# KiCad board hvd-68-hd-panel.kicad_pcb (continued)
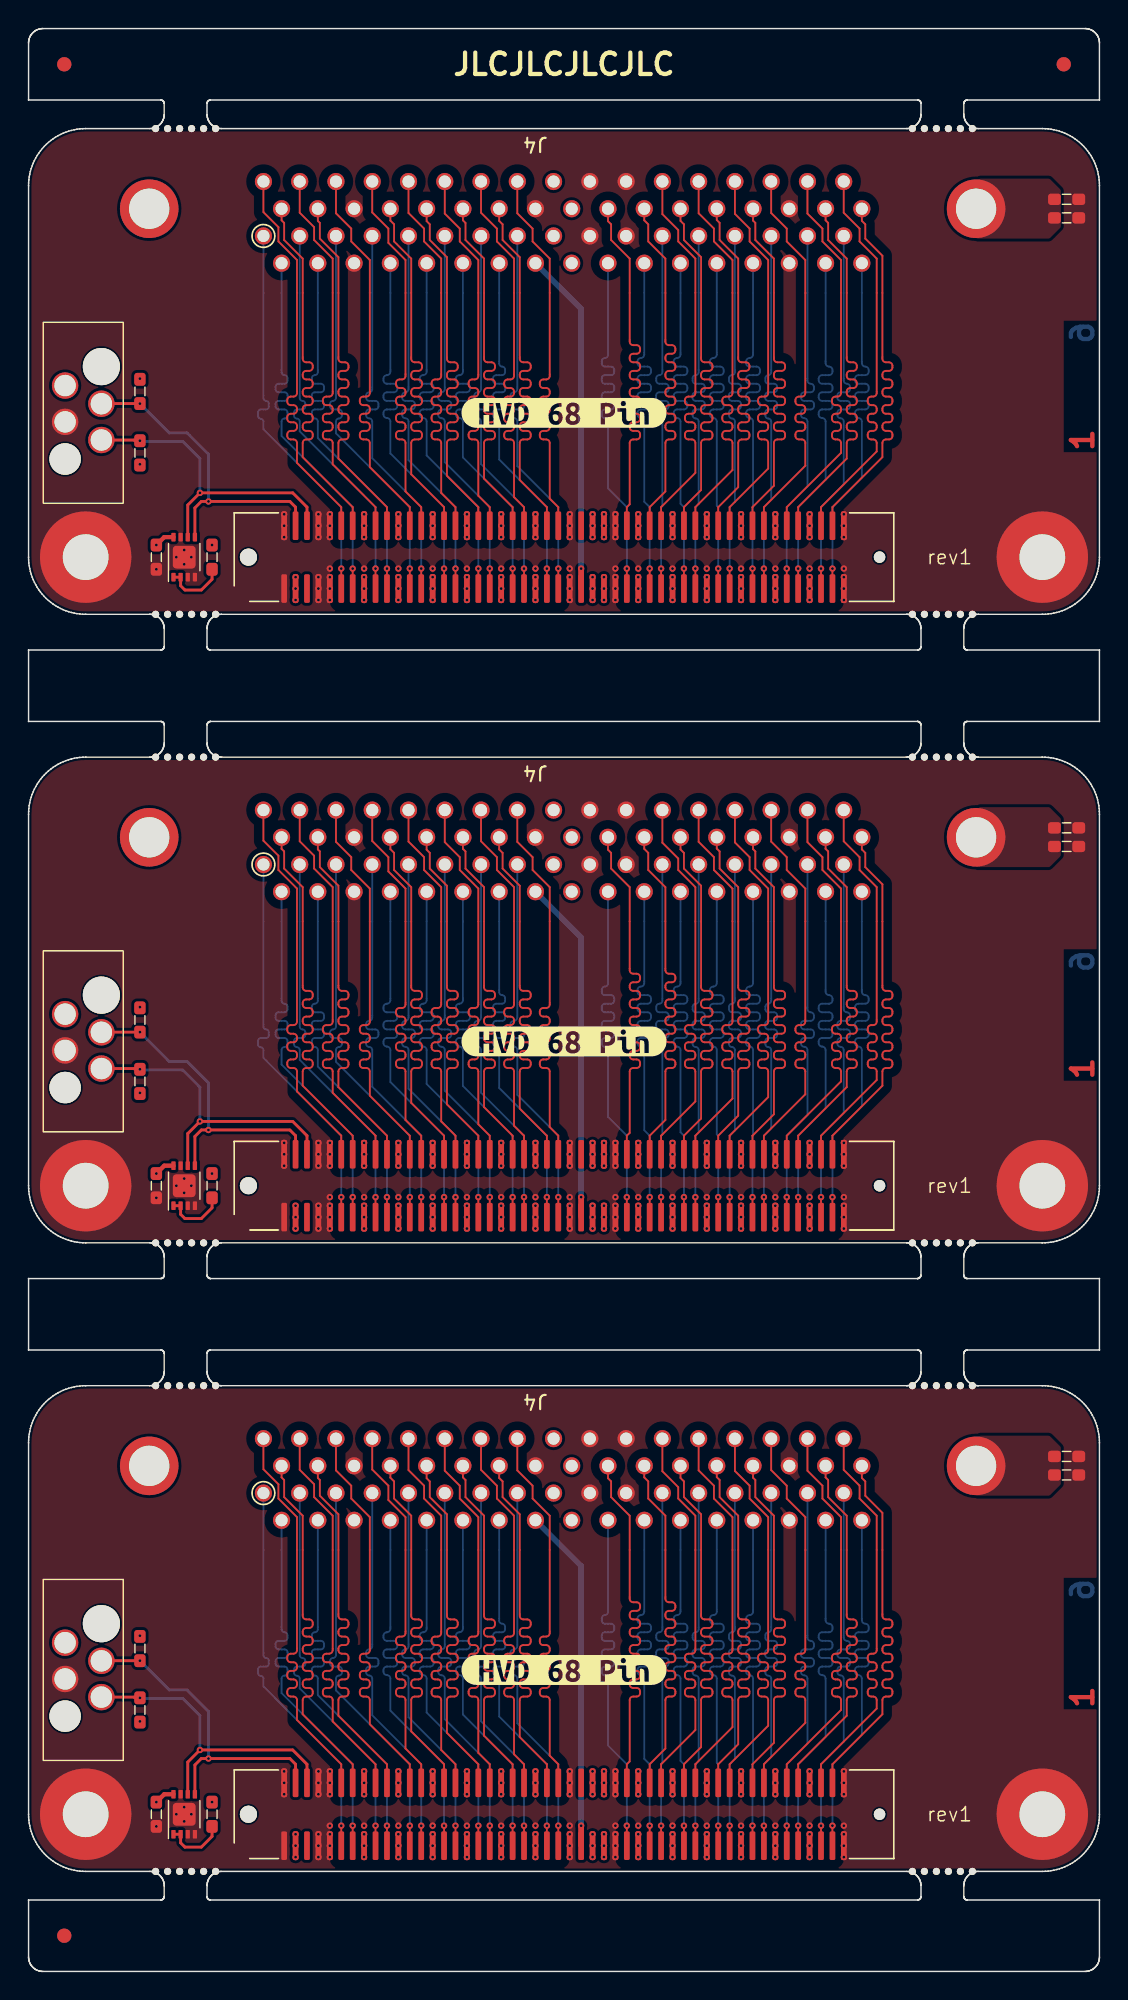
[diagram p0: board, top side]
## Routing (per net, layer and track width the routed paths; a pad name or vN(x,y) marks a point on that pad's centre or on a via; arc(x,y) is an arc through that point) (continued)
Board_1-/CON.DB6+: length 27.9
  Top w0.128: J1.43 v1(34.7,54.2)
  Bottom w0.128: v1(34.7,54.2) 34.7,58.5 31.69,61.51 31.69,64.5 arc(31.62,64.67) 31.45,64.74 arc(31.29,64.81) 31.22,64.97 31.22,65.11 arc(31.29,65.27) 31.45,65.34 31.93,65.34 arc(32.09,65.41) 32.16,65.58 32.16,65.71 arc(32.09,65.87) 31.93,65.94 31.45,65.94 arc(31.29,66.01) 31.22,66.18 31.22,66.31 arc(31.29,66.47) 31.45,66.54 arc(31.62,66.61) 31.69,66.78 J4#3.13
Board_1-/CON.DB6-: length 29.2
  Top w0.128: J4#3.47 31.69,79.11 32.8,78 32.8,77.1 34,75.9 34,67.68 arc(33.93,67.51) 33.76,67.44 33.55,67.44 arc(33.38,67.37) 33.31,67.2 33.31,67.08 arc(33.38,66.91) 33.55,66.84 33.76,66.84 arc(33.93,66.77) 34,66.6 34,66.48 arc(33.93,66.31) 33.76,66.24 33.55,66.24 arc(33.38,66.17) 33.31,66 33.31,65.88 arc(33.38,65.71) 33.55,65.64 33.76,65.64 arc(33.93,65.57) 34,65.4 34,65.28 arc(33.93,65.11) 33.76,65.04 33.55,65.04 arc(33.38,64.97) 33.31,64.8 33.31,64.68 arc(33.38,64.51) 33.55,64.44 33.76,64.44 arc(33.93,64.37) 34,64.2 34,64.08 arc(33.93,63.91) 33.76,63.84 33.55,63.84 arc(33.38,63.77) 33.31,63.6 33.31,63.48 arc(33.38,63.31) 33.55,63.24 33.76,63.24 arc(33.93,63.17) 34,63 34,59.2 34.7,58.5 J1.44
Board_1-/CON.DB7+: length 27.9
  Top w0.128: J1.47 v1(36.3,54.2)
  Bottom w0.128: J4#3.14 32.96,68.55 arc(33.02,68.4) 33.17,68.34 arc(33.31,68.28) 33.37,68.13 33.37,67.95 arc(33.31,67.8) 33.17,67.74 32.75,67.74 arc(32.6,67.68) 32.54,67.53 32.54,67.35 arc(32.6,67.2) 32.75,67.14 33.17,67.14 arc(33.32,67.08) 33.38,66.93 33.38,66.75 arc(33.32,66.6) 33.17,66.54 32.75,66.54 arc(32.6,66.48) 32.54,66.33 32.54,66.15 arc(32.6,66) 32.75,65.94 33.17,65.94 arc(33.32,65.88) 33.38,65.73 33.38,65.55 arc(33.32,65.4) 33.17,65.34 32.75,65.34 arc(32.61,65.28) 32.55,65.13 32.55,64.92 arc(32.61,64.77) 32.75,64.71 arc(32.9,64.65) 32.96,64.5 32.96,61.84 36.3,58.5 v1(36.3,54.2)
Board_1-/CON.DB7-: length 29.2
  Top w0.128: J4#3.48 32.96,78.54 33.2,78.3 33.2,77.2 34.4,76 34.4,68.88 arc(34.47,68.71) 34.64,68.64 34.93,68.64 arc(35.1,68.57) 35.17,68.4 35.17,68.28 arc(35.1,68.11) 34.93,68.04 34.64,68.04 arc(34.47,67.97) 34.4,67.8 34.4,67.68 arc(34.47,67.51) 34.64,67.44 34.93,67.44 arc(35.1,67.37) 35.17,67.2 35.17,67.08 arc(35.1,66.91) 34.93,66.84 34.64,66.84 arc(34.47,66.77) 34.4,66.6 34.4,66.48 arc(34.47,66.31) 34.64,66.24 34.93,66.24 arc(35.1,66.17) 35.17,66 35.17,65.88 arc(35.1,65.71) 34.93,65.64 34.64,65.64 arc(34.47,65.57) 34.4,65.4 34.4,65.28 arc(34.47,65.11) 34.64,65.04 34.93,65.04 arc(35.1,64.97) 35.17,64.8 35.17,64.68 arc(35.1,64.51) 34.93,64.44 34.64,64.44 arc(34.47,64.37) 34.4,64.2 34.4,64.08 arc(34.47,63.91) 34.64,63.84 34.93,63.84 arc(35.1,63.77) 35.17,63.6 35.17,63.48 arc(35.1,63.31) 34.93,63.24 34.64,63.24 arc(34.47,63.17) 34.4,63 34.4,60.4 36.3,58.5 J1.48
Board_1-/CON.DB8+: length 27.9
  Top w0.128: J1.89 v1(53.1,54.2)
  Bottom w0.128: J4#3.31 54.55,67.37 arc(54.62,67.21) 54.78,67.14 arc(54.94,67.08) 55,66.92 55,66.77 arc(54.94,66.61) 54.78,66.54 54.32,66.54 arc(54.16,66.48) 54.09,66.31 54.09,66.17 arc(54.16,66.01) 54.32,65.94 54.78,65.94 arc(54.94,65.88) 55.01,65.71 55.01,65.57 arc(54.94,65.41) 54.78,65.34 54.32,65.34 arc(54.16,65.28) 54.1,65.12 54.1,64.95 arc(54.16,64.79) 54.32,64.73 arc(54.48,64.66) 54.55,64.5 54.55,59.95 53.1,58.5 v1(53.1,54.2)
Board_1-/CON.DB8-: length 29.2
  Top w0.128: J4#3.65 54.55,79.05 55.6,78 55.6,77.1 56.9,75.8 56.9,66.48 arc(56.83,66.31) 56.66,66.24 56.51,66.24 arc(56.34,66.17) 56.27,66 56.27,65.88 arc(56.34,65.71) 56.51,65.64 56.66,65.64 arc(56.83,65.57) 56.9,65.4 56.9,65.28 arc(56.83,65.11) 56.66,65.04 56.51,65.04 arc(56.34,64.97) 56.27,64.8 56.27,64.68 arc(56.34,64.51) 56.51,64.44 56.66,64.44 arc(56.83,64.37) 56.9,64.2 56.9,64.08 arc(56.83,63.91) 56.66,63.84 56.51,63.84 arc(56.34,63.77) 56.27,63.6 56.27,63.48 arc(56.34,63.31) 56.51,63.24 56.66,63.24 arc(56.83,63.17) 56.9,63 56.9,62.3 53.1,58.5 J1.90
Board_1-/CON.DB9+: length 27.9
  Top w0.128: J1.91 v1(53.9,54.2)
  Bottom w0.128: J4#3.32 55.82,68.58 arc(55.89,68.41) 56.06,68.34 56.06,68.34 arc(56.23,68.27) 56.3,68.1 56.3,67.98 arc(56.23,67.81) 56.06,67.74 55.58,67.74 arc(55.41,67.67) 55.34,67.5 55.34,67.38 arc(55.41,67.21) 55.58,67.14 56.06,67.14 arc(56.23,67.07) 56.3,66.9 56.3,66.78 arc(56.23,66.61) 56.06,66.54 55.58,66.54 arc(55.41,66.47) 55.34,66.3 55.34,66.18 arc(55.41,66.01) 55.58,65.94 56.06,65.94 arc(56.23,65.87) 56.3,65.7 56.3,65.58 arc(56.23,65.41) 56.06,65.34 55.58,65.34 arc(55.41,65.27) 55.34,65.1 55.34,64.98 arc(55.41,64.81) 55.58,64.74 55.58,64.74 arc(55.75,64.67) 55.82,64.5 55.82,60.42 53.9,58.5 v1(53.9,54.2)
Board_1-/CON.DB9-: length 29.2
  Top w0.128: J4#3.66 55.82,78.58 56,78.4 56,77.2 57.3,75.9 57.3,68.88 arc(57.37,68.71) 57.54,68.64 57.77,68.64 arc(57.94,68.57) 58.01,68.4 58.01,68.28 arc(57.94,68.11) 57.77,68.04 57.54,68.04 arc(57.37,67.97) 57.3,67.8 57.3,67.68 arc(57.37,67.51) 57.54,67.44 57.77,67.44 arc(57.94,67.37) 58.01,67.2 58.01,67.08 arc(57.94,66.91) 57.77,66.84 57.54,66.84 arc(57.37,66.77) 57.3,66.6 57.3,66.48 arc(57.37,66.31) 57.54,66.24 57.77,66.24 arc(57.94,66.17) 58.01,66 58.01,65.88 arc(57.94,65.71) 57.77,65.64 57.54,65.64 arc(57.37,65.57) 57.3,65.4 57.3,65.28 arc(57.37,65.11) 57.54,65.04 57.77,65.04 arc(57.94,64.97) 58.01,64.8 58.01,64.68 arc(57.94,64.51) 57.77,64.44 57.54,64.44 arc(57.37,64.37) 57.3,64.2 57.3,64.08 arc(57.37,63.91) 57.54,63.84 57.77,63.84 arc(57.94,63.77) 58.01,63.6 58.01,63.48 arc(57.94,63.31) 57.77,63.24 57.54,63.24 arc(57.37,63.17) 57.3,63 57.3,61.9 53.9,58.5 J1.92
Board_1-/CON.DB10+: length 27.9
  Top w0.128: J1.95 v1(55.5,54.2)
  Bottom w0.128: v1(55.5,54.2) 55.5,58.5 57.09,60.09 57.09,64.5 arc(57.03,64.66) 56.87,64.72 arc(56.71,64.79) 56.65,64.94 56.65,65.12 arc(56.71,65.28) 56.87,65.34 57.31,65.34 arc(57.47,65.41) 57.54,65.57 57.54,65.72 arc(57.47,65.88) 57.31,65.94 56.87,65.94 arc(56.71,66.01) 56.64,66.17 56.64,66.32 arc(56.71,66.48) 56.87,66.54 57.31,66.54 arc(57.47,66.61) 57.53,66.76 57.53,66.92 arc(57.47,67.08) 57.31,67.14 arc(57.15,67.21) 57.09,67.36 J4#3.33
Board_1-/CON.DB10-: length 29.2
  Top w0.128: J1.96 55.5,58.5 59.4,62.4 59.4,63 arc(59.33,63.17) 59.16,63.24 59.01,63.24 arc(58.84,63.31) 58.77,63.48 58.77,63.6 arc(58.84,63.77) 59.01,63.84 59.16,63.84 arc(59.33,63.91) 59.4,64.08 59.4,64.2 arc(59.33,64.37) 59.16,64.44 59.01,64.44 arc(58.84,64.51) 58.77,64.68 58.77,64.8 arc(58.84,64.97) 59.01,65.04 59.16,65.04 arc(59.33,65.11) 59.4,65.28 59.4,65.4 arc(59.33,65.57) 59.16,65.64 59.01,65.64 arc(58.84,65.71) 58.77,65.88 58.77,66 arc(58.84,66.17) 59.01,66.24 59.16,66.24 arc(59.33,66.31) 59.4,66.48 59.4,75.9 58.2,77.1 58.2,78 57.09,79.11 J4#3.67
Board_1-/CON.DB11+: length 27.9
  Top w0.128: J1.97 v1(56.3,54.2)
  Bottom w0.128: v1(56.3,54.2) 56.3,58.5 58.36,60.56 58.36,64.5 arc(58.29,64.67) 58.12,64.74 arc(57.95,64.81) 57.88,64.98 57.88,65.1 arc(57.95,65.27) 58.12,65.34 58.6,65.34 arc(58.77,65.41) 58.84,65.58 58.84,65.7 arc(58.77,65.87) 58.6,65.94 58.12,65.94 arc(57.95,66.01) 57.88,66.18 57.88,66.3 arc(57.95,66.47) 58.12,66.54 58.6,66.54 arc(58.77,66.61) 58.84,66.78 58.84,66.9 arc(58.77,67.07) 58.6,67.14 58.12,67.14 arc(57.95,67.21) 57.88,67.38 57.88,67.5 arc(57.95,67.67) 58.12,67.74 58.6,67.74 arc(58.77,67.81) 58.84,67.98 58.84,68.1 arc(58.77,68.27) 58.6,68.34 arc(58.43,68.41) 58.36,68.58 J4#3.34
Board_1-/CON.DB11-: length 29.2
  Top w0.128: J1.98 56.3,58.5 59.8,62 59.8,63 arc(59.87,63.17) 60.04,63.24 60.26,63.24 arc(60.43,63.31) 60.5,63.48 60.5,63.6 arc(60.43,63.77) 60.26,63.84 60.04,63.84 arc(59.87,63.91) 59.8,64.08 59.8,64.2 arc(59.87,64.37) 60.04,64.44 60.26,64.44 arc(60.43,64.51) 60.5,64.68 60.5,64.8 arc(60.43,64.97) 60.26,65.04 60.04,65.04 arc(59.87,65.11) 59.8,65.28 59.8,65.4 arc(59.87,65.57) 60.04,65.64 60.26,65.64 arc(60.43,65.71) 60.5,65.88 60.5,66 arc(60.43,66.17) 60.26,66.24 60.04,66.24 arc(59.87,66.31) 59.8,66.48 59.8,66.6 arc(59.87,66.77) 60.04,66.84 60.26,66.84 arc(60.43,66.91) 60.5,67.08 60.5,67.2 arc(60.43,67.37) 60.26,67.44 60.04,67.44 arc(59.87,67.51) 59.8,67.68 59.8,67.8 arc(59.87,67.97) 60.04,68.04 60.26,68.04 arc(60.43,68.11) 60.5,68.28 60.5,68.4 arc(60.43,68.57) 60.26,68.64 60.04,68.64 arc(59.87,68.71) 59.8,68.88 59.8,76.1 58.6,77.3 58.6,78.3 58.36,78.54 J4#3.68
Board_1-/CON.DB12+: length 27.9
  Top w0.128: J1.11 v1(21.9,54.2)
  Bottom w0.128: v1(21.9,54.2) 21.9,58.5 16.45,63.95 16.45,64.5 arc(16.4,64.63) 16.26,64.69 arc(16.13,64.74) 16.08,64.87 16.08,65.16 arc(16.13,65.29) 16.26,65.34 16.64,65.34 arc(16.77,65.4) 16.82,65.53 16.82,65.76 arc(16.77,65.89) 16.64,65.94 arc(16.5,66) 16.45,66.13 J4#3.1
Board_1-/CON.DB12-: length 29.2
  Top w0.128: J4#3.35 16.45,79.15 17.5,78.1 17.5,77.1 18.8,75.8 18.8,66.48 arc(18.73,66.31) 18.56,66.24 18.36,66.24 arc(18.19,66.17) 18.12,66 18.12,65.88 arc(18.19,65.71) 18.36,65.64 18.56,65.64 arc(18.73,65.57) 18.8,65.4 18.8,65.28 arc(18.73,65.11) 18.56,65.04 18.36,65.04 arc(18.19,64.97) 18.12,64.8 18.12,64.68 arc(18.19,64.51) 18.36,64.44 18.56,64.44 arc(18.73,64.37) 18.8,64.2 18.8,64.08 arc(18.73,63.91) 18.56,63.84 18.36,63.84 arc(18.19,63.77) 18.12,63.6 18.12,63.48 arc(18.19,63.31) 18.36,63.24 18.56,63.24 arc(18.73,63.17) 18.8,63 18.8,61.6 21.9,58.5 J1.12
Board_1-/CON.DB13+: length 27.9
  Top w0.128: J1.13 v1(22.7,54.2)
  Bottom w0.128: v1(22.7,54.2) 22.7,58.5 17.72,63.48 17.72,64.5 arc(17.78,64.65) 17.93,64.71 arc(18.07,64.77) 18.13,64.91 18.13,65.14 arc(18.07,65.28) 17.93,65.34 17.51,65.34 arc(17.36,65.4) 17.3,65.55 17.3,65.73 arc(17.36,65.88) 17.51,65.94 17.93,65.94 arc(18.08,66) 18.14,66.15 18.14,66.33 arc(18.08,66.48) 17.93,66.54 17.51,66.54 arc(17.36,66.6) 17.3,66.75 17.3,66.93 arc(17.36,67.08) 17.51,67.14 17.93,67.14 arc(18.07,67.2) 18.13,67.35 18.13,67.54 arc(18.07,67.68) 17.93,67.74 arc(17.78,67.8) 17.72,67.95 J4#3.2
Board_1-/CON.DB13-: length 29.2
  Top w0.128: J1.14 22.7,58.5 19.2,62 19.2,63 arc(19.27,63.17) 19.44,63.24 19.66,63.24 arc(19.83,63.31) 19.9,63.48 19.9,63.6 arc(19.83,63.77) 19.66,63.84 19.44,63.84 arc(19.27,63.91) 19.2,64.08 19.2,64.2 arc(19.27,64.37) 19.44,64.44 19.66,64.44 arc(19.83,64.51) 19.9,64.68 19.9,64.8 arc(19.83,64.97) 19.66,65.04 19.44,65.04 arc(19.27,65.11) 19.2,65.28 19.2,65.4 arc(19.27,65.57) 19.44,65.64 19.66,65.64 arc(19.83,65.71) 19.9,65.88 19.9,66 arc(19.83,66.17) 19.66,66.24 19.44,66.24 arc(19.27,66.31) 19.2,66.48 19.2,66.6 arc(19.27,66.77) 19.44,66.84 19.66,66.84 arc(19.83,66.91) 19.9,67.08 19.9,67.2 arc(19.83,67.37) 19.66,67.44 19.44,67.44 arc(19.27,67.51) 19.2,67.68 19.2,67.8 arc(19.27,67.97) 19.44,68.04 19.66,68.04 arc(19.83,68.11) 19.9,68.28 19.9,68.4 arc(19.83,68.57) 19.66,68.64 19.44,68.64 arc(19.27,68.71) 19.2,68.88 19.2,75.9 17.9,77.2 17.9,78.4 17.72,78.58 J4#3.36
Board_1-/CON.DB14+: length 27.9
  Top w0.128: J1.17 v1(24.3,54.2)
  Bottom w0.128: v1(24.3,54.2) 24.3,58.5 18.99,63.81 18.99,64.5 arc(18.93,64.64) 18.79,64.7 arc(18.66,64.76) 18.6,64.89 18.6,65.15 arc(18.66,65.28) 18.79,65.34 19.19,65.34 arc(19.32,65.4) 19.38,65.54 19.38,65.75 arc(19.32,65.88) 19.19,65.94 arc(19.05,66) 18.99,66.14 J4#3.3
Board_1-/CON.DB14-: length 29.2
  Top w0.128: J1.18 24.3,58.5 21.3,61.5 21.3,63 arc(21.23,63.17) 21.06,63.24 20.85,63.24 arc(20.68,63.31) 20.61,63.48 20.61,63.6 arc(20.68,63.77) 20.85,63.84 21.06,63.84 arc(21.23,63.91) 21.3,64.08 21.3,64.2 arc(21.23,64.37) 21.06,64.44 20.85,64.44 arc(20.68,64.51) 20.61,64.68 20.61,64.8 arc(20.68,64.97) 20.85,65.04 21.06,65.04 arc(21.23,65.11) 21.3,65.28 21.3,65.4 arc(21.23,65.57) 21.06,65.64 20.85,65.64 arc(20.68,65.71) 20.61,65.88 20.61,66 arc(20.68,66.17) 20.85,66.24 21.06,66.24 arc(21.23,66.31) 21.3,66.48 21.3,75.9 20,77.2 20,78.1 18.99,79.11 J4#3.37
Board_1-/CON.DB15+: length 27.9
  Top w0.128: J1.19 v1(25.1,54.2)
  Bottom w0.128: J4#3.4 20.26,67.95 arc(20.2,67.8) 20.05,67.74 arc(19.9,67.68) 19.84,67.53 19.84,67.35 arc(19.9,67.2) 20.05,67.14 20.47,67.14 arc(20.63,67.08) 20.69,66.93 20.69,66.76 arc(20.63,66.6) 20.47,66.54 20.05,66.54 arc(19.89,66.48) 19.83,66.33 19.83,66.16 arc(19.89,66) 20.05,65.94 20.47,65.94 arc(20.63,65.88) 20.69,65.73 20.69,65.56 arc(20.63,65.4) 20.47,65.34 20.05,65.34 arc(19.9,65.28) 19.84,65.13 19.84,64.92 arc(19.9,64.77) 20.05,64.71 arc(20.2,64.65) 20.26,64.5 20.26,63.34 25.1,58.5 v1(25.1,54.2)
Board_1-/CON.DB15-: length 29.2
  Top w0.128: J4#3.38 20.26,78.54 20.4,78.4 20.4,77.3 21.7,76 21.7,68.88 arc(21.77,68.71) 21.94,68.64 22.17,68.64 arc(22.34,68.57) 22.41,68.4 22.41,68.28 arc(22.34,68.11) 22.17,68.04 21.94,68.04 arc(21.77,67.97) 21.7,67.8 21.7,67.68 arc(21.77,67.51) 21.94,67.44 22.17,67.44 arc(22.34,67.37) 22.41,67.2 22.41,67.08 arc(22.34,66.91) 22.17,66.84 21.94,66.84 arc(21.77,66.77) 21.7,66.6 21.7,66.48 arc(21.77,66.31) 21.94,66.24 22.17,66.24 arc(22.34,66.17) 22.41,66 22.41,65.88 arc(22.34,65.71) 22.17,65.64 21.94,65.64 arc(21.77,65.57) 21.7,65.4 21.7,65.28 arc(21.77,65.11) 21.94,65.04 22.17,65.04 arc(22.34,64.97) 22.41,64.8 22.41,64.68 arc(22.34,64.51) 22.17,64.44 21.94,64.44 arc(21.77,64.37) 21.7,64.2 21.7,64.08 arc(21.77,63.91) 21.94,63.84 22.17,63.84 arc(22.34,63.77) 22.41,63.6 22.41,63.48 arc(22.34,63.31) 22.17,63.24 21.94,63.24 arc(21.77,63.17) 21.7,63 21.7,61.9 25.1,58.5 J1.20
Board_1-/CON.DIFFSENSE: length 24.1
  Top w0.4: J1.53 v1(38.7,54.2)
  Bottom w0.4: J4#3.16 38.7,72.38 v1(38.7,54.2)
Board_1-/CON.DP0+: length 27.9
  Top w0.128: J1.49 v1(37.1,54.2)
  Bottom w0.128: v1(37.1,54.2) 37.1,58.5 34.23,61.37 34.23,64.5 arc(34.16,64.67) 33.99,64.74 33.99,64.74 arc(33.82,64.81) 33.75,64.98 33.75,65.1 arc(33.82,65.27) 33.99,65.34 34.47,65.34 arc(34.64,65.41) 34.71,65.58 34.71,65.7 arc(34.64,65.87) 34.47,65.94 33.99,65.94 arc(33.82,66.01) 33.75,66.18 33.75,66.3 arc(33.82,66.47) 33.99,66.54 33.99,66.54 arc(34.16,66.61) 34.23,66.78 J4#3.15
Board_1-/CON.DP0-: length 29.2
  Top w0.128: J4#3.49 34.23,79.07 35.3,78 35.3,77.1 36.5,75.9 36.5,67.68 arc(36.43,67.51) 36.26,67.44 36.04,67.44 arc(35.87,67.37) 35.8,67.2 35.8,67.08 arc(35.87,66.91) 36.04,66.84 36.26,66.84 arc(36.43,66.77) 36.5,66.6 36.5,66.48 arc(36.43,66.31) 36.26,66.24 36.04,66.24 arc(35.87,66.17) 35.8,66 35.8,65.88 arc(35.87,65.71) 36.04,65.64 36.26,65.64 arc(36.43,65.57) 36.5,65.4 36.5,65.28 arc(36.43,65.11) 36.26,65.04 36.04,65.04 arc(35.87,64.97) 35.8,64.8 35.8,64.68 arc(35.87,64.51) 36.04,64.44 36.26,64.44 arc(36.43,64.37) 36.5,64.2 36.5,64.08 arc(36.43,63.91) 36.26,63.84 36.04,63.84 arc(35.87,63.77) 35.8,63.6 35.8,63.48 arc(35.87,63.31) 36.04,63.24 36.26,63.24 arc(36.43,63.17) 36.5,63 36.5,59.1 37.1,58.5 J1.50
Board_1-/CON.DP1+: length 27.9
  Top w0.128: J1.23 v1(26.7,54.2)
  Bottom w0.128: J4#3.5 21.53,66.15 arc(21.47,66) 21.32,65.94 arc(21.18,65.88) 21.12,65.74 21.12,65.55 arc(21.18,65.4) 21.32,65.34 21.74,65.34 arc(21.88,65.28) 21.94,65.14 21.94,64.92 arc(21.88,64.77) 21.74,64.71 arc(21.59,64.65) 21.53,64.5 21.53,63.67 26.7,58.5 v1(26.7,54.2)
Board_1-/CON.DP1-: length 29.2
  Top w0.128: J4#3.39 21.53,79.07 22.6,78 22.6,77.1 23.9,75.8 23.9,66.48 arc(23.83,66.31) 23.66,66.24 23.44,66.24 arc(23.27,66.17) 23.2,66 23.2,65.88 arc(23.27,65.71) 23.44,65.64 23.66,65.64 arc(23.83,65.57) 23.9,65.4 23.9,65.28 arc(23.83,65.11) 23.66,65.04 23.44,65.04 arc(23.27,64.97) 23.2,64.8 23.2,64.68 arc(23.27,64.51) 23.44,64.44 23.66,64.44 arc(23.83,64.37) 23.9,64.2 23.9,64.08 arc(23.83,63.91) 23.66,63.84 23.44,63.84 arc(23.27,63.77) 23.2,63.6 23.2,63.48 arc(23.27,63.31) 23.44,63.24 23.66,63.24 arc(23.83,63.17) 23.9,63 23.9,61.3 26.7,58.5 J1.24
Board_1-/CON.I/O+: length 27.9
  Top w0.128: J1.85 v1(51.5,54.2)
  Bottom w0.128: v1(51.5,54.2) 51.5,58.5 52.01,59.01 52.01,64.5 arc(51.95,64.64) 51.81,64.7 arc(51.66,64.76) 51.61,64.91 51.61,65.14 arc(51.66,65.28) 51.81,65.34 52.22,65.34 arc(52.36,65.4) 52.42,65.55 52.42,65.73 arc(52.36,65.88) 52.22,65.94 51.8,65.94 arc(51.66,66) 51.6,66.15 51.6,66.33 arc(51.66,66.48) 51.8,66.54 52.22,66.54 arc(52.36,66.6) 52.42,66.75 52.42,66.93 arc(52.36,67.08) 52.22,67.14 51.81,67.14 arc(51.66,67.2) 51.61,67.34 51.61,67.54 arc(51.66,67.68) 51.81,67.74 arc(51.95,67.8) 52.01,67.94 J4#3.29
Board_1-/CON.I/O-: length 29.2
  Top w0.128: J1.86 51.5,58.5 54.4,61.4 54.4,63 arc(54.33,63.17) 54.16,63.24 53.95,63.24 arc(53.78,63.31) 53.71,63.48 53.71,63.6 arc(53.78,63.77) 53.95,63.84 54.16,63.84 arc(54.33,63.91) 54.4,64.08 54.4,64.2 arc(54.33,64.37) 54.16,64.44 53.95,64.44 arc(53.78,64.51) 53.71,64.68 53.71,64.8 arc(53.78,64.97) 53.95,65.04 54.16,65.04 arc(54.33,65.11) 54.4,65.28 54.4,65.4 arc(54.33,65.57) 54.16,65.64 53.95,65.64 arc(53.78,65.71) 53.71,65.88 53.71,66 arc(53.78,66.17) 53.95,66.24 54.16,66.24 arc(54.33,66.31) 54.4,66.48 54.4,75.8 53.1,77.1 53.1,78 52.01,79.09 J4#3.63
Board_1-/CON.MSG+: length 27.9
  Top w0.128: J1.73 v1(46.7,54.2)
  Bottom w0.128: J4#3.25 46.93,67.95 arc(46.87,67.8) 46.72,67.74 arc(46.57,67.68) 46.51,67.53 46.51,67.35 arc(46.57,67.2) 46.72,67.14 47.14,67.14 arc(47.3,67.08) 47.36,66.93 47.36,66.76 arc(47.3,66.6) 47.14,66.54 46.72,66.54 arc(46.56,66.48) 46.5,66.33 46.5,66.16 arc(46.56,66) 46.72,65.94 47.14,65.94 arc(47.3,65.88) 47.36,65.73 47.36,65.56 arc(47.3,65.4) 47.14,65.34 46.72,65.34 arc(46.57,65.28) 46.51,65.13 46.51,64.92 arc(46.57,64.77) 46.72,64.71 arc(46.87,64.65) 46.93,64.5 46.93,58.73 46.7,58.5 v1(46.7,54.2)
Board_1-/CON.MSG-: length 29.2
  Top w0.128: J1.74 46.7,58.5 49.3,61.1 49.3,63 arc(49.23,63.17) 49.06,63.24 48.83,63.24 arc(48.66,63.31) 48.59,63.48 48.59,63.6 arc(48.66,63.77) 48.83,63.84 49.06,63.84 arc(49.23,63.91) 49.3,64.08 49.3,64.2 arc(49.23,64.37) 49.06,64.44 48.83,64.44 arc(48.66,64.51) 48.59,64.68 48.59,64.8 arc(48.66,64.97) 48.83,65.04 49.06,65.04 arc(49.23,65.11) 49.3,65.28 49.3,65.4 arc(49.23,65.57) 49.06,65.64 48.83,65.64 arc(48.66,65.71) 48.59,65.88 48.59,66 arc(48.66,66.17) 48.83,66.24 49.06,66.24 arc(49.23,66.31) 49.3,66.48 49.3,75.8 48,77.1 48,78 46.93,79.07 J4#3.59
Board_1-/CON.REQ+: length 27.9
  Top w0.128: J1.83 v1(50.7,54.2)
  Bottom w0.128: J4#3.28 50.74,69.18 arc(50.67,69.01) 50.5,68.94 50.49,68.94 arc(50.32,68.87) 50.25,68.7 50.25,68.58 arc(50.32,68.41) 50.49,68.34 50.99,68.34 arc(51.16,68.27) 51.23,68.1 51.23,67.98 arc(51.16,67.81) 50.99,67.74 50.49,67.74 arc(50.32,67.67) 50.25,67.5 50.25,67.38 arc(50.32,67.21) 50.49,67.14 50.99,67.14 arc(51.16,67.07) 51.23,66.9 51.23,66.78 arc(51.16,66.61) 50.99,66.54 50.49,66.54 arc(50.32,66.47) 50.25,66.3 50.25,66.18 arc(50.32,66.01) 50.49,65.94 50.99,65.94 arc(51.16,65.87) 51.23,65.7 51.23,65.58 arc(51.16,65.41) 50.99,65.34 50.49,65.34 arc(50.32,65.27) 50.25,65.1 50.25,64.98 arc(50.32,64.81) 50.49,64.74 50.5,64.74 arc(50.67,64.67) 50.74,64.5 50.74,58.54 50.7,58.5 v1(50.7,54.2)
Board_1-/CON.REQ-: length 29.2
  Top w0.128: J1.84 50.7,58.5 52.2,60 52.2,63 arc(52.27,63.17) 52.44,63.24 52.75,63.24 arc(52.91,63.31) 52.99,63.48 52.99,63.6 arc(52.91,63.77) 52.75,63.84 52.44,63.84 arc(52.27,63.91) 52.2,64.08 52.2,64.2 arc(52.27,64.37) 52.44,64.44 52.75,64.44 arc(52.91,64.51) 52.99,64.68 52.99,64.8 arc(52.91,64.97) 52.75,65.04 52.44,65.04 arc(52.27,65.11) 52.2,65.28 52.2,65.4 arc(52.27,65.57) 52.44,65.64 52.75,65.64 arc(52.91,65.71) 52.99,65.88 52.99,66 arc(52.91,66.17) 52.75,66.24 52.44,66.24 arc(52.27,66.31) 52.2,66.48 52.2,66.6 arc(52.27,66.77) 52.44,66.84 52.75,66.84 arc(52.91,66.91) 52.99,67.08 52.99,67.2 arc(52.91,67.37) 52.75,67.44 52.44,67.44 arc(52.27,67.51) 52.2,67.68 52.2,67.8 arc(52.27,67.97) 52.44,68.04 52.75,68.04 arc(52.91,68.11) 52.99,68.28 52.99,68.4 arc(52.91,68.57) 52.75,68.64 52.44,68.64 arc(52.27,68.71) 52.2,68.88 52.2,75.9 50.9,77.2 50.9,78.4 50.74,78.56 J4#3.62
Board_1-/CON.RST+: length 27.9
  Top w0.128: J1.71 v1(45.9,54.2)
  Bottom w0.128: v1(45.9,54.2) 45.9,58.5 45.66,58.74 45.66,64.5 arc(45.59,64.67) 45.42,64.74 arc(45.25,64.81) 45.18,64.98 45.18,65.1 arc(45.25,65.27) 45.42,65.34 45.9,65.34 arc(46.07,65.41) 46.14,65.58 46.14,65.7 arc(46.07,65.87) 45.9,65.94 45.42,65.94 arc(45.25,66.01) 45.18,66.18 45.18,66.3 arc(45.25,66.47) 45.42,66.54 45.9,66.54 arc(46.07,66.61) 46.14,66.78 46.14,66.9 arc(46.07,67.07) 45.9,67.14 45.42,67.14 arc(45.25,67.21) 45.18,67.38 45.18,67.5 arc(45.25,67.67) 45.42,67.74 45.9,67.74 arc(46.07,67.81) 46.14,67.98 46.14,68.1 arc(46.07,68.27) 45.9,68.34 45.42,68.34 arc(45.25,68.41) 45.18,68.58 45.18,68.7 arc(45.25,68.87) 45.42,68.94 arc(45.59,69.01) 45.66,69.18 J4#3.24
Board_1-/CON.RST-: length 29.2
  Top w0.128: J1.72 45.9,58.5 47.1,59.7 47.1,63 arc(47.17,63.17) 47.34,63.24 47.66,63.24 arc(47.83,63.31) 47.9,63.48 47.9,63.6 arc(47.83,63.77) 47.66,63.84 47.34,63.84 arc(47.17,63.91) 47.1,64.08 47.1,64.2 arc(47.17,64.37) 47.34,64.44 47.66,64.44 arc(47.83,64.51) 47.9,64.68 47.9,64.8 arc(47.83,64.97) 47.66,65.04 47.34,65.04 arc(47.17,65.11) 47.1,65.28 47.1,65.4 arc(47.17,65.57) 47.34,65.64 47.66,65.64 arc(47.83,65.71) 47.9,65.88 47.9,66 arc(47.83,66.17) 47.66,66.24 47.34,66.24 arc(47.17,66.31) 47.1,66.48 47.1,66.6 arc(47.17,66.77) 47.34,66.84 47.66,66.84 arc(47.83,66.91) 47.9,67.08 47.9,67.2 arc(47.83,67.37) 47.66,67.44 47.34,67.44 arc(47.17,67.51) 47.1,67.68 47.1,67.8 arc(47.17,67.97) 47.34,68.04 47.66,68.04 arc(47.83,68.11) 47.9,68.28 47.9,68.4 arc(47.83,68.57) 47.66,68.64 47.34,68.64 arc(47.17,68.71) 47.1,68.88 47.1,76 45.9,77.2 45.9,78.3 45.66,78.54 J4#3.58
Board_1-/CON.SEL+: length 27.9
  Top w0.128: J1.77 v1(48.3,54.2)
  Bottom w0.128: J4#3.26 48.2,69.18 arc(48.13,69.01) 47.96,68.94 47.96,68.94 arc(47.79,68.87) 47.72,68.7 47.72,68.58 arc(47.79,68.41) 47.96,68.34 48.44,68.34 arc(48.61,68.27) 48.68,68.1 48.68,67.98 arc(48.61,67.81) 48.44,67.74 47.96,67.74 arc(47.79,67.67) 47.72,67.5 47.72,67.38 arc(47.79,67.21) 47.96,67.14 48.44,67.14 arc(48.61,67.07) 48.68,66.9 48.68,66.78 arc(48.61,66.61) 48.44,66.54 47.96,66.54 arc(47.79,66.47) 47.72,66.3 47.72,66.18 arc(47.79,66.01) 47.96,65.94 48.44,65.94 arc(48.61,65.87) 48.68,65.7 48.68,65.58 arc(48.61,65.41) 48.44,65.34 47.96,65.34 arc(47.79,65.27) 47.72,65.1 47.72,64.98 arc(47.79,64.81) 47.96,64.74 47.96,64.74 arc(48.13,64.67) 48.2,64.5 48.2,58.6 48.3,58.5 v1(48.3,54.2)
Board_1-/CON.SEL-: length 29.2
  Top w0.128: J4#3.60 48.2,78.6 48.4,78.4 48.4,77.2 49.7,75.9 49.7,68.88 arc(49.77,68.71) 49.94,68.64 50.25,68.64 arc(50.42,68.57) 50.49,68.4 50.49,68.28 arc(50.42,68.11) 50.25,68.04 49.94,68.04 arc(49.77,67.97) 49.7,67.8 49.7,67.68 arc(49.77,67.51) 49.94,67.44 50.25,67.44 arc(50.42,67.37) 50.49,67.2 50.49,67.08 arc(50.42,66.91) 50.25,66.84 49.94,66.84 arc(49.77,66.77) 49.7,66.6 49.7,66.48 arc(49.77,66.31) 49.94,66.24 50.25,66.24 arc(50.42,66.17) 50.49,66 50.49,65.88 arc(50.42,65.71) 50.25,65.64 49.94,65.64 arc(49.77,65.57) 49.7,65.4 49.7,65.28 arc(49.77,65.11) 49.94,65.04 50.25,65.04 arc(50.42,64.97) 50.49,64.8 50.49,64.68 arc(50.42,64.51) 50.25,64.44 49.94,64.44 arc(49.77,64.37) 49.7,64.2 49.7,64.08 arc(49.77,63.91) 49.94,63.84 50.25,63.84 arc(50.42,63.77) 50.49,63.6 50.49,63.48 arc(50.42,63.31) 50.25,63.24 49.94,63.24 arc(49.77,63.17) 49.7,63 49.7,59.9 48.3,58.5 J1.78
Board_1-/CON.TERMPWR:
  vias: v1(39.5,58) v1(39.5,57.2) v1(39.5,56.4) v1(39.5,53.6) v1(39.5,52.8) v1(39.5,52) v1(40.3,58) v1(40.3,57.2) v1(40.3,56.4) v1(40.3,53.6) v1(40.3,52.8) v1(40.3,52)
Board_1-/PHY.ID_SCL: length 22.5
  Top w0.2: v1(7.8,63.15) 7.45,63.15 7.4,63.2 J3#3.4 ; U1.6 11.15,58.65 v1(12,59.5) 18.5,59.5 19.5,58.5 J1.6
  Bottom w0.2: v1(7.8,63.15) 7.85,63.1 10.8,63.1 12,61.9 v1(12,59.5)
Board_1-/PHY.ID_SDA: length 23
  Top w0.2: v1(7.8,65.75) 5.11,65.75 J3#3.2 ; J1.4 18.7,58.5 18.3,58.9 12.1,58.9 11.65,58.45 U1.5
  Bottom w0.2: v1(7.8,65.75) 9.85,63.7 11.1,63.7 12.6,62.2 v1(12.6,58.9)
Board_1-GND:
  vias: v1(8.95,54.15) v1(10.35,55) v1(10.9,55.5) v1(10.9,54.5) v1(11.4,55) v1(17.9,58) v1(17.9,57.2) v1(17.9,56.4) v1(20.3,58) v1(20.3,57.2) v1(20.3,56.4) v1(20.3,53.6) v1(20.3,52.8) v1(20.3,52) v1(21.1,58) v1(21.1,57.2) v1(21.1,56.4) v1(21.1,54.2) v1(21.1,53.6) v1(21.1,52.8) v1(21.1,52) v1(23.5,58) v1(23.5,57.2) v1(23.5,56.4) v1(23.5,54.2) v1(23.5,53.6) v1(23.5,52.8) v1(23.5,52) v1(25.9,58) v1(25.9,57.2) v1(25.9,56.4) v1(25.9,54.2) v1(25.9,53.6) v1(25.9,52.8) v1(25.9,52) v1(28.3,58) v1(28.3,57.2) v1(28.3,56.4) v1(28.3,54.2) v1(28.3,53.6) v1(28.3,52.8) v1(28.3,52) v1(30.7,58) v1(30.7,57.2) v1(30.7,56.4) v1(30.7,54.2) v1(30.7,53.6) v1(30.7,52.8) v1(30.7,52) v1(33.1,58) v1(33.1,57.2) v1(33.1,56.4) v1(33.1,54.2) v1(33.1,53.6) v1(33.1,52.8) v1(33.1,52) v1(35.5,58) v1(35.5,57.2) v1(35.5,56.4) v1(35.5,54.2) v1(35.5,53.6) v1(35.5,52.8) v1(35.5,52) v1(37.9,58) v1(37.9,57.2) v1(37.9,56.4) v1(37.9,54.2) v1(37.9,53.6) v1(37.9,52.8) v1(37.9,52) v1(41.1,58) v1(41.1,57.2) v1(41.1,56.4) v1(41.1,54.2) v1(41.1,53.6) v1(41.1,52.8) v1(41.1,52) v1(42.7,58) v1(42.7,57.2) v1(42.7,56.4) v1(42.7,54.2) v1(42.7,53.6) v1(42.7,52.8) v1(42.7,52) v1(45.1,58) v1(45.1,57.2) v1(45.1,56.4) v1(45.1,54.2) v1(45.1,53.6) v1(45.1,52.8) v1(45.1,52) v1(47.5,58) v1(47.5,57.2) v1(47.5,56.4) v1(47.5,54.2) v1(47.5,53.6) v1(47.5,52.8) v1(47.5,52) v1(49.9,58) v1(49.9,57.2) v1(49.9,56.4) v1(49.9,54.2) v1(49.9,53.6) v1(49.9,52.8) v1(49.9,52) v1(52.3,58) v1(52.3,57.2) v1(52.3,56.4) v1(52.3,54.2) v1(52.3,53.6) v1(52.3,52.8) v1(52.3,52) v1(54.7,58) v1(54.7,57.2) v1(54.7,56.4) v1(54.7,54.2) v1(54.7,53.6) v1(54.7,52.8) v1(54.7,52) v1(57.1,58) v1(57.1,57.2) v1(57.1,56.4) v1(57.1,54.2) v1(57.1,53.6) v1(57.1,52.8) v1(57.1,52)
